# KiCad board PANEL_COM_MOD.kicad_pcb (continued)
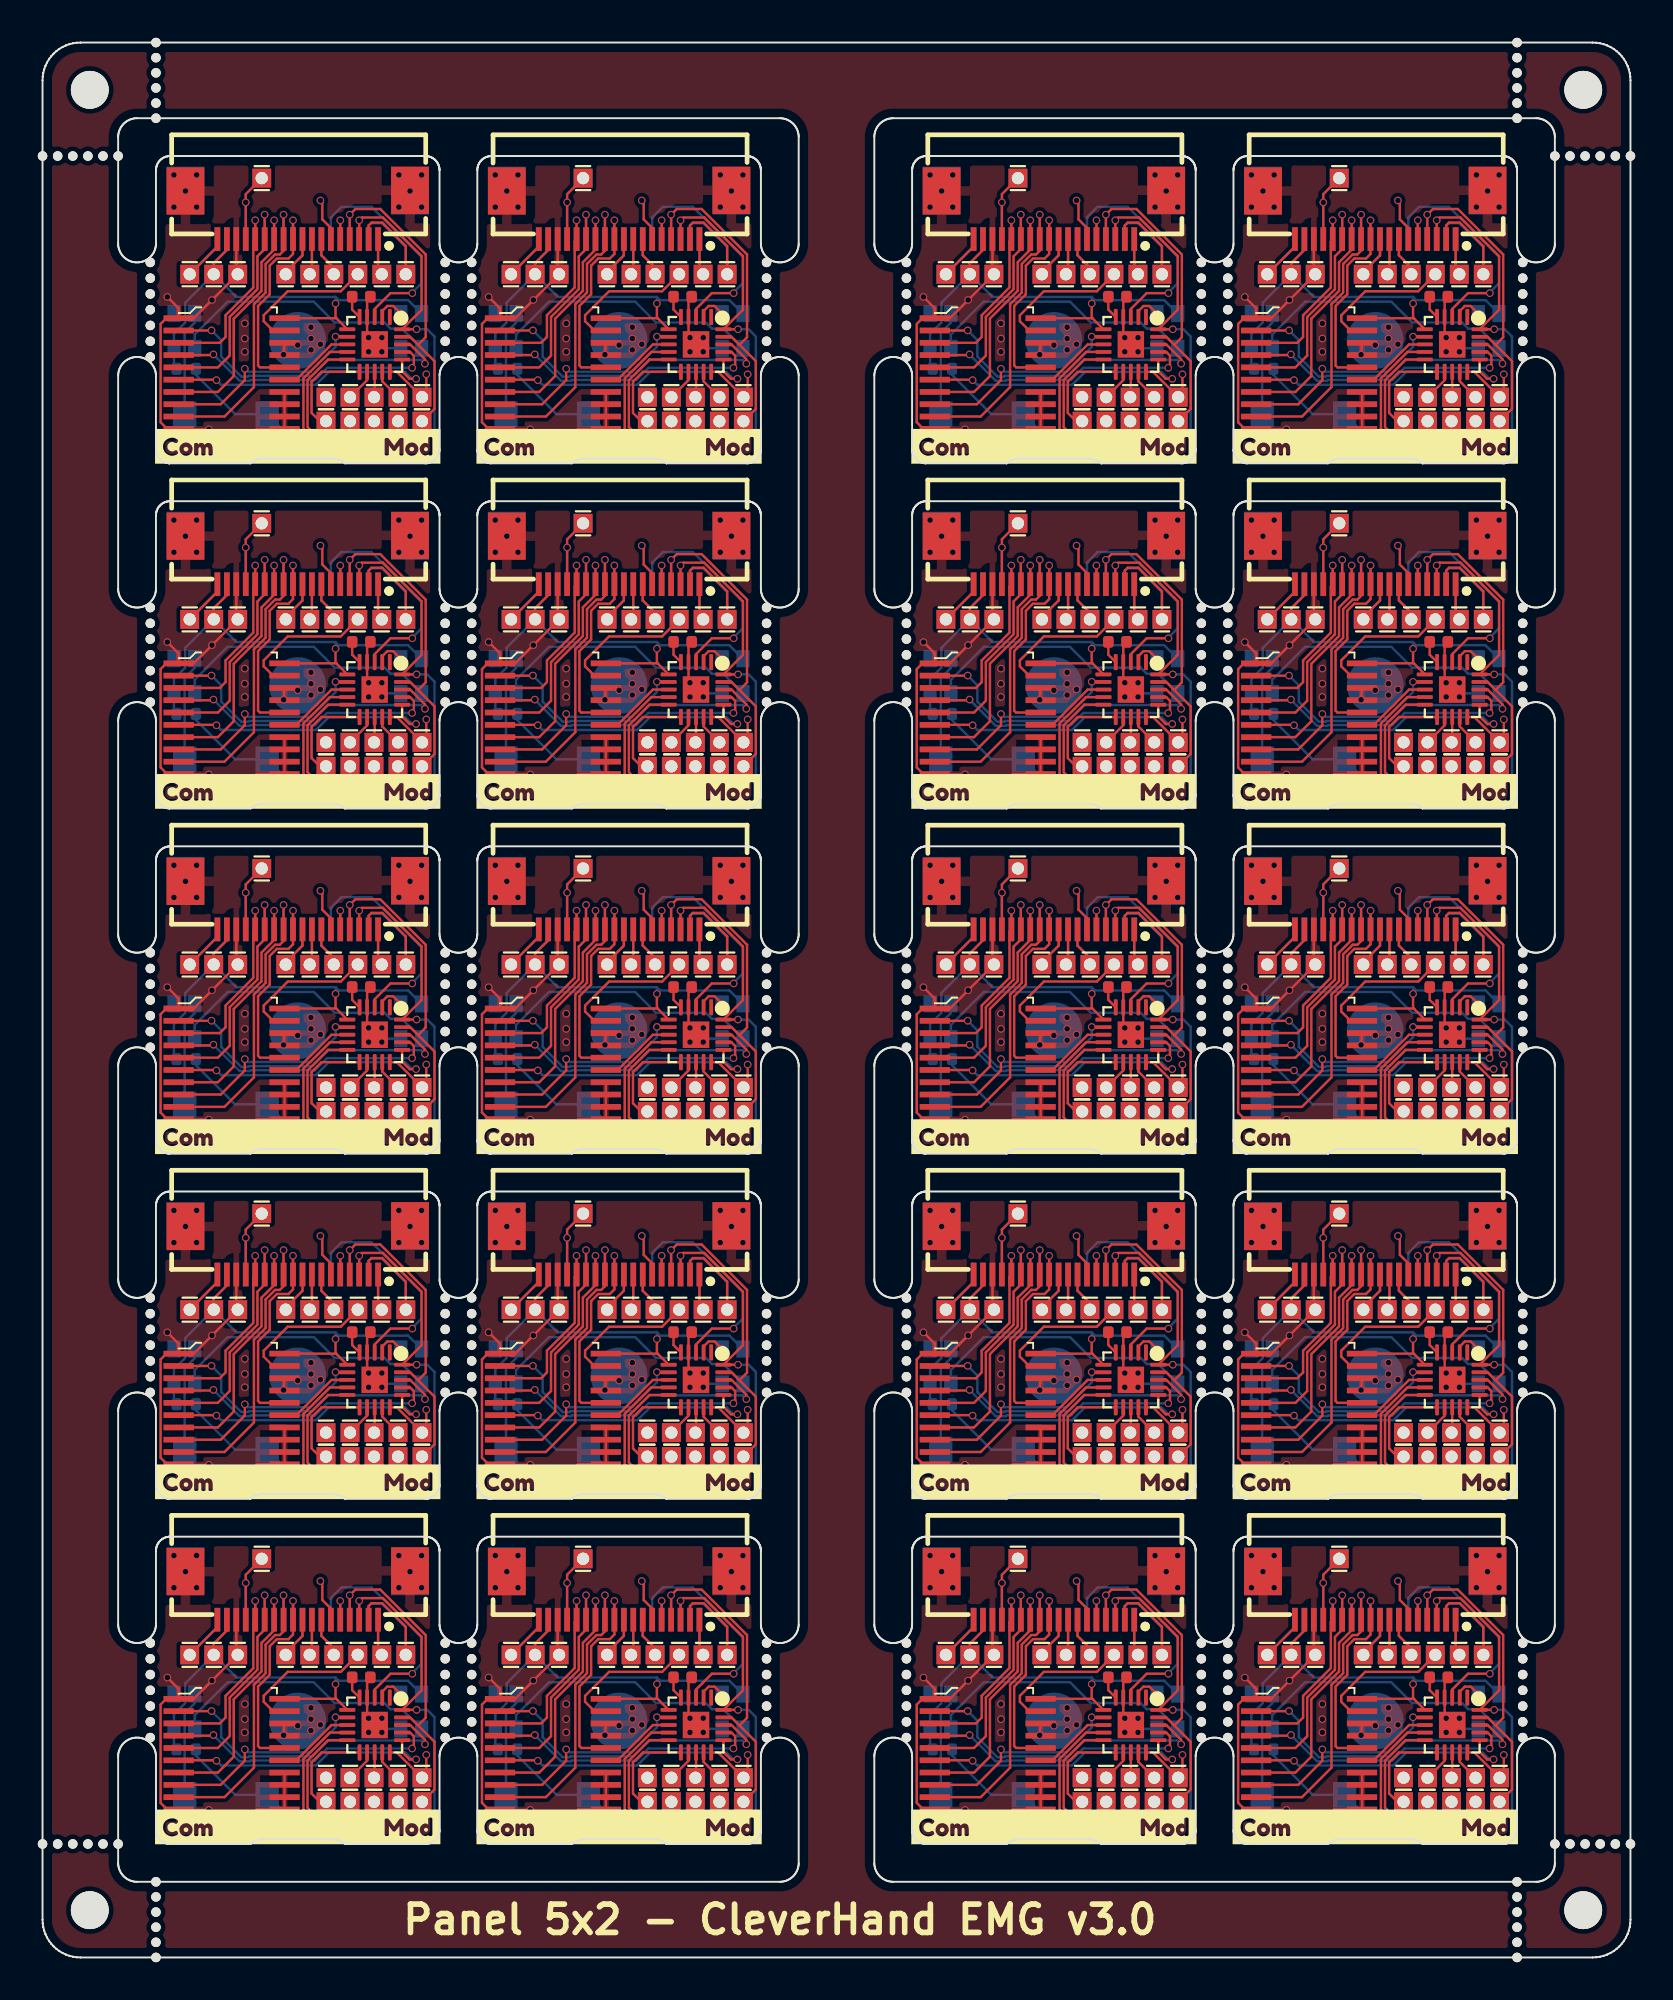
[diagram p0: board, top side]
## Routing (per net, layer and track width the routed paths; a pad name or vN(x,y) marks a point on that pad's centre or on a via; arc(x,y) is an arc through that point) (continued)
Board_0-/addr_mod_4: length 4.1
  Top w0.127: U2#12.15 13.42,83.43 15.29,85.29 16.12,85.29 U1#16.8
Board_0-/AIN0: length 5.3
  Top w0.127: 15,81.23 14.67,81.23 14.23,81.67 14.23,83.31 14.76,83.84 U1#16.11
Board_0-/AUX1: length 4.9
  Top w0.127: 9.25,90.83 9.25,90.47 J19#11.1
  Bottom w0.127: J19#11.1 9.25,90.47 9.25,90.83
Board_0-/AUX2: length 9.5
  Top w0.127: 17.25,90.83 17.25,91.58 17.4,91.73 17.97,91.73 19.21,90.49 J20#19.1
  Bottom w0.127: J20#19.1 19.21,90.44 17.96,91.7 17.37,91.7 17.25,91.58 17.25,90.83
Board_0-/AUX3: length 5.6
  Top w0.127: J3#4.1 10.75,93.24 v1(10.75,92.8) 10.75,90.83
  Bottom w0.127: v1(10.75,92.8) 10.75,90.83
Board_0-/CSB: length 7.5
  Top w0.127: U2#12.19 12.19,86.03 11.7,86.52 11.7,86.83 12.97,88.1 15.77,88.1 J8#18.1
Board_0-/extRef: length 3.8
  Top w0.127: 17.75,90.83 17.75,89.2 J9#2.1
  Bottom w0.127: J9#2.1 17.75,89.2 17.75,90.83
Board_0-/GPIO: length 17.7
  Top w0.127: 16.27,81.23 15.62,80.58 14.36,80.58 14.02,80.92 14.02,83.4 15.1,84.49 U1#16.10
  Bottom w0.127: R1#13.2 8.11,83.68 10.19,81.6 11.88,81.6 12.91,80.58 15.62,80.58 16.27,81.23
Board_0-/i2C_SCL: length 19.7
  Top w0.127: v1(19.79,86.09) U1#16.20 20.05,87.12 20.05,89.96 18.01,92 16.9,92 v1(16.75,91.85) 16.75,90.83
  Bottom w0.127: 18.81,81.23 19.46,80.58 20.73,80.58 20.73,85.71 20.35,86.09 v1(19.79,86.09) ; v1(16.75,91.85) 16.75,90.83
Board_0-/I2C_SDA: length 18.4
  Top w0.127: 19.87,85.27 20.73,84.4 20.73,81.88 20.08,81.23 ; 19.87,85.27 19.44,85.69 U1#16.19 ; 19.87,85.27 20.27,85.67 20.27,90.05 17.86,92.45 16.55,92.45 v1(16.25,92.15) 16.25,90.83
  Bottom w0.127: v1(16.25,92.15) 16.25,90.83
Board_0-/IO1_in: length 12.2
  Top w0.127: v1(19.56,88) 18.4,88 17.57,87.17 U1#16.3
  Bottom w0.127: v1(19.56,88) 19.56,88.04 20.05,88.53 20.05,89.91 17.4,92.56 15.81,92.56 15.25,92 15.25,90.83
Board_0-/IO1_out: length 19.7
  Top w0.127: U1#16.15 18.74,83.84 20.08,82.5 20.3,82.72 v1(20.3,83.71) ; 15.25,90.83 15.25,91.45 14.8,91.9 14.8,92.8 v1(14.7,92.9)
  In2.Cu w0.127: v1(20.3,83.71) 20.64,84.05 20.64,90.11 17.65,93.1 14.9,93.1 v1(14.7,92.9)
Board_0-/IO2: length 2.1
  Top w0.127: v1(15.75,91.85) 15.75,90.83
  Bottom w0.127: 15.75,90.83 v1(15.75,91.85)
Board_0-/LED_IN: length 1.6
  Top w0.127: U1#16.2 17.97,87.05 18.23,87.32 18.55,87.32 v1(18.95,86.92)
Board_0-/PICO: length 3.7
  Top w0.127: J6#16.1 14.25,89.12 14.25,90.83
  Bottom w0.127: J6#16.1 14.25,89.12 14.25,90.83
Board_0-/PICO_ARM: length 1.4
  Top w0.127: U1#16.13 17.57,82.53 17.54,82.5
Board_0-/POCI: length 4.4
  Top w0.127: 13.75,90.83 13.75,90 12.86,89.12 J5#16.1
  Bottom w0.127: J5#16.1 12.86,89.12 13.75,90 13.75,90.83
Board_0-/SCLK: length 4.2
  Top w0.127: J7#19.1 15.41,89.35 14.75,90 14.75,90.83
  Bottom w0.127: 14.75,90.83 14.75,90 15.41,89.35 J7#19.1
Board_0-/SCLK_ARM: length 1.7
  Top w0.127: U1#16.12 17.17,83.4 16.27,82.5
Board_0-/SPICS_ARM: length 9.9
  Top w0.127: 17.54,81.23 16.67,80.36 14.27,80.36 13.8,80.83 13.8,83.49 15.2,84.89 U1#16.9
Board_0-/SWDIO/POCI_ARM: length 1.7
  Top w0.127: 18.81,82.5 17.97,83.34 U1#16.14
Board_0-/Vcap: length 1.2
  Top w0.127: C1#17.2 16.38,87.13 U1#16.5
Board_0-GND: length 34.7
  Top w0.127: U2#12.11 11.32,80.83 v1(11.1,80.6) ; U2#12.11 13.45,80.83 ; U2#12.11 U2#12.14 12.34,82.78 ; U2#12.17 v1(12.75,84.75) U2#12.18 ; v1(8.8,80.8) 7.23,80.8 U2#12.10 6.59,80.83 6.25,81.17 6.25,86.37 6.55,86.68 U2#12.1 ; 10.25,90.83 10.25,89.08 J2#10.1 v1(8.96,87.64) 8,86.68 U2#12.1 ; v1(6.6,87.8) 7.2,87.2 U2#12.1 ; U1#16.21 17.25,85.61 v1(17.25,85.65) 17.21,85.65 17.17,85.69 U1#16.4 17.17,87.64 C1#17.1
  Bottom w0.127: v1(8.96,87.64) 8.24,86.92 8.05,86.92 8.05,86.44 7.51,85.9 7.51,81.6 ; 17.66,85.09 17.76,85.09 v1(17.95,84.9) 18.13,85.09 18.95,85.09 ; J2#10.1 10.25,89.08 10.25,90.83
  vias: v1(6.95,94.25) v1(6.95,92.55) v1(7.56,93.4) v1(8.15,94.25) v1(8.15,92.55) v1(10.7,86.4) v1(10.7,85.6) v1(10.7,84.9) v1(13.5,85.25) v1(14.2,86.2) v1(14.2,85.6) v1(14.2,85) v1(14.7,85.3) v1(17.25,84.9) v1(17.95,85.65) v1(18.85,94.25) v1(18.85,92.55) v1(19.44,93.4) v1(20.05,94.25) v1(20.05,92.55)
Board_0-Net-(LED1-DO): length 14.5
  Bottom w0.127: 20.05,85.09 19.01,86.13 18.41,86.13 18.09,86.45 15.45,86.45 14.35,87.55 9.79,87.55 8.05,85.81 8.05,85.09
Board_1-+3.3V: length 26.7
  Top w0.127: 32.55,86.66 32.53,86.68 U2#13.20 ; 32.55,86.66 32.5,86.71 v1(32.5,87.45) ; 32.55,86.66 U1#3.6 ; J1#12.1 26.05,89.59 26.75,90.29 26.75,90.83
  Bottom w0.127: R1#3.1 23.95,84.14 23.95,85.85 24.55,86.45 24.55,87.49 J1#12.1 ; 32.5,87.8 32.67,87.63 36.34,87.63 37.05,86.92 ; 32.5,87.8 27.26,87.8 J1#12.1 ; 32.5,87.8 v1(32.5,87.45) ; J1#12.1 26.05,89.59 26.75,90.29 26.75,90.83
Board_1-/addr_bus_0: length 10.5
  Top w0.127: U2#13.3 26.37,85.38 26.68,85.68 26.68,86.83 28.15,88.3 28.15,90.73 28.25,90.83 v1(28.25,91.85)
  Bottom w0.127: 28.25,90.83 v1(28.25,91.85)
Board_1-/addr_bus_1: length 12.5
  Top w0.127: U2#13.5 26.27,84.08 26.9,84.7 26.9,86.74 28.37,88.21 28.37,89.95 28.75,90.33 v1(28.75,92.15)
  Bottom w0.127: 28.75,90.83 v1(28.75,92.15)
Board_1-/addr_bus_2: length 13.4
  Top w0.127: U2#13.7 26.27,82.78 27.12,83.62 27.12,86.65 28.58,88.12 28.58,89.63 29.25,90.3 v1(29.25,91.85)
  Bottom w0.127: 29.25,90.83 v1(29.25,91.85)
Board_1-/addr_bus_3: length 15.9
  Top w0.127: v1(29.75,92.15) 29.75,90.24 29.55,90.05 29.3,90.05 28.8,89.54 28.8,88.03 28.18,87.41 28.18,83.03 26.62,81.48 U2#13.9
  Bottom w0.127: 29.75,90.83 v1(29.75,92.15)
Board_1-/addr_bus_4: length 11.3
  Top w0.127: U2#13.16 28.5,84.08 28.4,84.18 28.4,87.32 29.02,87.94 29.02,89.45 29.39,89.83 30.01,89.83 30.25,90.07 v1(30.25,91.85)
  Bottom w0.127: 30.25,90.83 v1(30.25,91.85)
Board_1-/addr_mod_0: length 16.8
  Top w0.127: v1(37.23,84.27) 37.23,84.51 36.44,85.29 U1#3.18 ; U2#13.2 25.93,86.03 v1(25.94,86.03)
  Bottom w0.127: v1(25.94,86.03) 26.45,85.52 26.45,84.65 27.51,83.59 27.87,83.59 27.91,83.63 31.27,83.63 32.12,84.47 37.03,84.47 v1(37.23,84.27)
Board_1-/addr_mod_1: length 14.6
  Top w0.127: v1(36.55,84.05) 36.55,84.11 36.64,84.2 36.64,84.7 36.44,84.89 U1#3.17 ; U2#13.4 26,84.73 v1(26.04,84.76)
  Bottom w0.127: v1(26.04,84.76) 26.04,84.75 27.42,83.37 27.96,83.37 28,83.41 31.41,83.41 32.05,84.05 v1(36.55,84.05)
Board_1-/addr_mod_2: length 14.6
  Top w0.127: U2#13.6 26.17,83.43 v1(26.2,83.4) ; v1(36.76,83.47) 36.42,83.47 36.02,83.87 U1#3.16
  Bottom w0.127: v1(36.76,83.47) 36.55,83.47 36.18,83.83 32.14,83.83 31.46,83.15 26.45,83.15 v1(26.2,83.4)
Board_1-/addr_mod_3: length 11.2
  Top w0.127: U2#13.8 26.42,82.13 27.7,83.4 v1(27.7,84) ; v1(32.5,85.7) 32.68,85.7 32.69,85.69 U1#3.7
  Bottom w0.127: v1(27.7,84) 27.85,83.85 31.18,83.85 32.5,85.16 v1(32.5,85.7)
Board_1-/addr_mod_4: length 4.1
  Top w0.127: U2#13.15 30.42,83.43 32.29,85.29 33.12,85.29 U1#3.8
Board_1-/AIN0: length 5.3
  Top w0.127: 32,81.23 31.67,81.23 31.23,81.67 31.23,83.31 31.76,83.84 U1#3.11
Board_1-/AUX1: length 4.9
  Top w0.127: J19#13.1 26.25,90.47 26.25,90.83
  Bottom w0.127: J19#13.1 26.25,90.47 26.25,90.83
Board_1-/AUX2: length 9.5
  Top w0.127: 34.25,90.83 34.25,91.58 34.4,91.73 34.97,91.73 36.22,90.49 J20#4.1
  Bottom w0.127: 34.25,90.83 34.25,91.58 34.37,91.7 34.96,91.7 36.22,90.44 J20#4.1
Board_1-/AUX3: length 5.6
  Top w0.127: J3#2.1 27.75,93.24 v1(27.75,92.8) 27.75,90.83
  Bottom w0.127: v1(27.75,92.8) 27.75,90.83
Board_1-/CSB: length 7.5
  Top w0.127: J8#2.1 32.77,88.1 29.97,88.1 28.7,86.83 28.7,86.52 29.19,86.03 U2#13.19
Board_1-/extRef: length 3.8
  Top w0.127: J9#4.1 34.75,89.2 34.75,90.83
  Bottom w0.127: 34.75,90.83 34.75,89.2 J9#4.1
Board_1-/GPIO: length 17.7
  Top w0.127: 33.27,81.23 32.62,80.58 31.36,80.58 31.02,80.92 31.02,83.4 32.1,84.49 U1#3.10
  Bottom w0.127: 33.27,81.23 32.62,80.58 29.91,80.58 28.88,81.6 27.19,81.6 25.11,83.68 R1#3.2
Board_1-/i2C_SCL: length 19.7
  Top w0.127: v1(36.79,86.09) U1#3.20 37.05,87.12 37.05,89.96 35.01,92 33.9,92 v1(33.75,91.85) 33.75,90.83
  Bottom w0.127: 35.81,81.23 36.46,80.58 37.73,80.58 37.73,85.71 37.35,86.09 v1(36.79,86.09) ; v1(33.75,91.85) 33.75,90.83
Board_1-/I2C_SDA: length 18.4
  Top w0.127: 37.08,81.23 37.73,81.88 37.73,84.4 36.87,85.27 ; U1#3.19 36.44,85.69 36.87,85.27 ; 33.25,90.83 v1(33.25,92.15) 33.55,92.45 34.86,92.45 37.27,90.05 37.27,85.67 36.87,85.27
  Bottom w0.127: v1(33.25,92.15) 33.25,90.83
Board_1-/IO1_in: length 12.2
  Top w0.127: U1#3.3 34.57,87.17 35.4,88 v1(36.56,88)
  Bottom w0.127: 32.25,90.83 32.25,92 32.81,92.56 34.4,92.56 37.05,89.91 37.05,88.53 36.56,88.04 v1(36.56,88)
Board_1-/IO1_out: length 19.7
  Top w0.127: v1(37.3,83.71) 37.3,82.72 37.08,82.5 35.74,83.84 U1#3.15 ; 32.25,90.83 32.25,91.45 31.8,91.9 31.8,92.8 v1(31.7,92.9)
  In2.Cu w0.127: v1(37.3,83.71) 37.64,84.05 37.64,90.11 34.65,93.1 31.9,93.1 v1(31.7,92.9)
Board_1-/IO2: length 2.1
  Top w0.127: v1(32.75,91.85) 32.75,90.83
  Bottom w0.127: 32.75,90.83 v1(32.75,91.85)
Board_1-/LED_IN: length 1.6
  Top w0.127: U1#3.2 34.97,87.05 35.23,87.32 35.55,87.32 v1(35.95,86.92)
Board_1-/PICO: length 3.7
  Top w0.127: 31.25,90.83 31.25,89.12 J6#3.1
  Bottom w0.127: 31.25,90.83 31.25,89.12 J6#3.1
Board_1-/PICO_ARM: length 1.4
  Top w0.127: 34.54,82.5 34.57,82.53 U1#3.13
Board_1-/POCI: length 4.4
  Top w0.127: J5#18.1 29.87,89.12 30.75,90 30.75,90.83
  Bottom w0.127: J5#18.1 29.87,89.12 30.75,90 30.75,90.83
Board_1-/SCLK: length 4.2
  Top w0.127: J7#15.1 32.41,89.35 31.75,90 31.75,90.83
  Bottom w0.127: J7#15.1 32.41,89.35 31.75,90 31.75,90.83
Board_1-/SCLK_ARM: length 1.7
  Top w0.127: U1#3.12 34.17,83.4 33.27,82.5
Board_1-/SPICS_ARM: length 9.9
  Top w0.127: 34.54,81.23 33.67,80.36 31.27,80.36 30.8,80.83 30.8,83.49 32.2,84.89 U1#3.9
Board_1-/SWDIO/POCI_ARM: length 1.7
  Top w0.127: 35.81,82.5 34.97,83.34 U1#3.14
Board_1-/Vcap: length 1.2
  Top w0.127: C1#20.2 33.38,87.13 U1#3.5
Board_1-GND: length 34.7
  Top w0.127: U2#13.1 25,86.68 v1(25.96,87.64) J2#9.1 27.25,89.08 27.25,90.83 ; U2#13.1 23.55,86.68 23.25,86.37 23.25,81.17 23.59,80.83 U2#13.10 24.23,80.8 v1(25.8,80.8) ; U2#13.1 24.2,87.2 v1(23.6,87.8) ; U2#13.11 30.45,80.83 ; U2#13.11 28.32,80.83 v1(28.1,80.6) ; U2#13.11 U2#13.14 29.34,82.78 ; U2#13.18 v1(29.75,84.75) U2#13.17 ; U1#3.21 34.25,85.61 v1(34.25,85.65) 34.21,85.65 34.17,85.69 U1#3.4 34.17,87.64 C1#20.1
  Bottom w0.127: 24.51,81.6 24.51,85.9 25.05,86.44 25.05,86.92 25.24,86.92 v1(25.96,87.64) ; J2#9.1 27.25,89.08 27.25,90.83 ; 34.66,85.09 34.76,85.09 v1(34.95,84.9) 35.13,85.09 35.95,85.09
  vias: v1(23.95,94.25) v1(23.95,92.55) v1(24.56,93.4) v1(25.15,94.25) v1(25.15,92.55) v1(27.7,86.4) v1(27.7,85.6) v1(27.7,84.9) v1(30.5,85.25) v1(31.2,86.2) v1(31.2,85.6) v1(31.2,85) v1(31.7,85.3) v1(34.25,84.9) v1(34.95,85.65) v1(35.85,94.25) v1(35.85,92.55) v1(36.44,93.4) v1(37.05,94.25) v1(37.05,92.55)
Board_1-Net-(LED1-DO): length 14.5
  Bottom w0.127: 37.05,85.09 36.01,86.13 35.41,86.13 35.09,86.45 32.45,86.45 31.35,87.55 26.79,87.55 25.05,85.81 25.05,85.09
Board_2-+3.3V: length 26.7
  Top w0.127: v1(55.5,87.45) 55.5,86.71 55.55,86.66 ; 55.55,86.66 55.53,86.68 U2#5.20 ; 55.55,86.66 U1#11.6 ; J1#14.1 49.05,89.59 49.75,90.29 49.75,90.83
  Bottom w0.127: 60.05,86.92 59.34,87.63 55.67,87.63 55.5,87.8 ; R1#15.1 46.95,84.14 46.95,85.85 47.55,86.45 47.55,87.49 J1#14.1 ; J1#14.1 50.26,87.8 55.5,87.8 ; J1#14.1 49.05,89.59 49.75,90.29 49.75,90.83 ; 55.5,87.8 v1(55.5,87.45)
Board_2-/addr_bus_0: length 10.5
  Top w0.127: U2#5.3 49.37,85.38 49.68,85.68 49.68,86.83 51.15,88.3 51.15,90.73 51.25,90.83 v1(51.25,91.85)
  Bottom w0.127: 51.25,90.83 v1(51.25,91.85)
Board_2-/addr_bus_1: length 12.5
  Top w0.127: v1(51.75,92.15) 51.75,90.33 51.37,89.95 51.37,88.21 49.9,86.74 49.9,84.7 49.27,84.08 U2#5.5
  Bottom w0.127: 51.75,90.83 v1(51.75,92.15)
Board_2-/addr_bus_2: length 13.4
  Top w0.127: v1(52.25,91.85) 52.25,90.3 51.58,89.63 51.58,88.12 50.12,86.65 50.12,83.62 49.27,82.78 U2#5.7
  Bottom w0.127: 52.25,90.83 v1(52.25,91.85)
Board_2-/addr_bus_3: length 15.9
  Top w0.127: v1(52.75,92.15) 52.75,90.24 52.55,90.05 52.3,90.05 51.8,89.54 51.8,88.03 51.18,87.41 51.18,83.03 49.62,81.48 U2#5.9
  Bottom w0.127: 52.75,90.83 v1(52.75,92.15)
Board_2-/addr_bus_4: length 11.3
  Top w0.127: U2#5.16 51.5,84.08 51.4,84.18 51.4,87.32 52.02,87.94 52.02,89.45 52.39,89.83 53.01,89.83 53.25,90.07 v1(53.25,91.85)
  Bottom w0.127: 53.25,90.83 v1(53.25,91.85)
Board_2-/addr_mod_0: length 16.8
  Top w0.127: U1#11.18 59.44,85.29 60.23,84.51 v1(60.23,84.27) ; U2#5.2 48.93,86.03 v1(48.94,86.03)
  Bottom w0.127: v1(48.94,86.03) 49.45,85.52 49.45,84.65 50.51,83.59 50.87,83.59 50.91,83.63 54.27,83.63 55.12,84.47 60.03,84.47 v1(60.23,84.27)
Board_2-/addr_mod_1: length 14.6
  Top w0.127: v1(59.55,84.05) 59.55,84.11 59.64,84.2 59.64,84.7 59.44,84.89 U1#11.17 ; v1(49.04,84.76) 49,84.73 U2#5.4
  Bottom w0.127: v1(59.55,84.05) 55.05,84.05 54.41,83.41 51,83.41 50.96,83.37 50.42,83.37 49.04,84.75 v1(49.04,84.76)
Board_2-/addr_mod_2: length 14.6
  Top w0.127: v1(49.2,83.4) 49.17,83.43 U2#5.6 ; v1(59.76,83.47) 59.42,83.47 59.02,83.87 U1#11.16
  Bottom w0.127: v1(49.2,83.4) 49.45,83.15 54.46,83.15 55.14,83.83 59.18,83.83 59.55,83.47 v1(59.76,83.47)
Board_2-/addr_mod_3: length 11.2
  Top w0.127: U1#11.7 55.69,85.69 55.68,85.7 v1(55.5,85.7) ; U2#5.8 49.42,82.13 50.7,83.4 v1(50.7,84)
  Bottom w0.127: v1(50.7,84) 50.85,83.85 54.18,83.85 55.5,85.16 v1(55.5,85.7)
Board_2-/addr_mod_4: length 4.1
  Top w0.127: U2#5.15 53.42,83.43 55.29,85.29 56.12,85.29 U1#11.8
Board_2-/AIN0: length 5.3
  Top w0.127: 55,81.23 54.67,81.23 54.23,81.67 54.23,83.31 54.76,83.84 U1#11.11
Board_2-/AUX1: length 4.9
  Top w0.127: 49.25,90.83 49.25,90.47 J19#16.1
  Bottom w0.127: J19#16.1 49.25,90.47 49.25,90.83
Board_2-/AUX2: length 9.5
  Top w0.127: J20#11.1 59.22,90.49 57.97,91.73 57.4,91.73 57.25,91.58 57.25,90.83
  Bottom w0.127: 57.25,90.83 57.25,91.58 57.37,91.7 57.96,91.7 59.22,90.44 J20#11.1
Board_2-/AUX3: length 5.6
  Top w0.127: 50.75,90.83 v1(50.75,92.8) 50.75,93.24 J3#10.1
  Bottom w0.127: v1(50.75,92.8) 50.75,90.83
Board_2-/CSB: length 7.5
  Top w0.127: U2#5.19 52.19,86.03 51.7,86.52 51.7,86.83 52.97,88.1 55.77,88.1 J8#9.1
Board_2-/extRef: length 3.8
  Top w0.127: J9#16.1 57.75,89.2 57.75,90.83
  Bottom w0.127: 57.75,90.83 57.75,89.2 J9#16.1
Board_2-/GPIO: length 17.7
  Top w0.127: U1#11.10 55.1,84.49 54.02,83.4 54.02,80.92 54.36,80.58 55.62,80.58 56.27,81.23
  Bottom w0.127: R1#15.2 48.11,83.68 50.19,81.6 51.88,81.6 52.91,80.58 55.62,80.58 56.27,81.23
Board_2-/i2C_SCL: length 19.7
  Top w0.127: 56.75,90.83 v1(56.75,91.85) 56.9,92 58.01,92 60.05,89.96 60.05,87.12 U1#11.20 v1(59.79,86.09)
  Bottom w0.127: v1(59.79,86.09) 60.35,86.09 60.73,85.71 60.73,80.58 59.46,80.58 58.81,81.23 ; v1(56.75,91.85) 56.75,90.83
Board_2-/I2C_SDA: length 18.4
  Top w0.127: 59.87,85.27 59.44,85.69 U1#11.19 ; 59.87,85.27 60.73,84.4 60.73,81.88 60.08,81.23 ; 59.87,85.27 60.27,85.67 60.27,90.05 57.86,92.45 56.55,92.45 v1(56.25,92.15) 56.25,90.83
  Bottom w0.127: v1(56.25,92.15) 56.25,90.83
Board_2-/IO1_in: length 12.2
  Top w0.127: v1(59.56,88) 58.4,88 57.57,87.17 U1#11.3
  Bottom w0.127: v1(59.56,88) 59.56,88.04 60.05,88.53 60.05,89.91 57.4,92.56 55.81,92.56 55.25,92 55.25,90.83
Board_2-/IO1_out: length 19.7
  Top w0.127: v1(54.7,92.9) 54.8,92.8 54.8,91.9 55.25,91.45 55.25,90.83 ; U1#11.15 58.74,83.84 60.08,82.5 60.3,82.72 v1(60.3,83.71)
  In2.Cu w0.127: v1(54.7,92.9) 54.9,93.1 57.65,93.1 60.64,90.11 60.64,84.05 v1(60.3,83.71)
Board_2-/IO2: length 2.1
  Top w0.127: v1(55.75,91.85) 55.75,90.83
  Bottom w0.127: 55.75,90.83 v1(55.75,91.85)
Board_2-/LED_IN: length 1.6
  Top w0.127: U1#11.2 57.97,87.05 58.23,87.32 58.55,87.32 v1(58.95,86.92)
Board_2-/PICO: length 3.7
  Top w0.127: J6#9.1 54.25,89.12 54.25,90.83
  Bottom w0.127: J6#9.1 54.25,89.12 54.25,90.83
Board_2-/PICO_ARM: length 1.4
  Top w0.127: U1#11.13 57.57,82.53 57.54,82.5
Board_2-/POCI: length 4.4
  Top w0.127: 53.75,90.83 53.75,90 52.87,89.12 J5#19.1
  Bottom w0.127: 53.75,90.83 53.75,90 52.87,89.12 J5#19.1
Board_2-/SCLK: length 4.2
  Top w0.127: 54.75,90.83 54.75,90 55.41,89.35 J7.1
  Bottom w0.127: 54.75,90.83 54.75,90 55.41,89.35 J7.1
Board_2-/SCLK_ARM: length 1.7
  Top w0.127: U1#11.12 57.17,83.4 56.27,82.5
Board_2-/SPICS_ARM: length 9.9
  Top w0.127: 57.54,81.23 56.67,80.36 54.27,80.36 53.8,80.83 53.8,83.49 55.2,84.89 U1#11.9
Board_2-/SWDIO/POCI_ARM: length 1.7
  Top w0.127: U1#11.14 57.97,83.34 58.81,82.5
Board_2-/Vcap: length 1.2
  Top w0.127: U1#11.5 56.38,87.13 C1#15.2
Board_2-GND: length 34.7
  Top w0.127: v1(48.8,80.8) 47.23,80.8 U2#5.10 46.59,80.83 46.25,81.17 46.25,86.37 46.55,86.68 U2#5.1 ; U1#11.21 57.25,85.61 v1(57.25,85.65) 57.21,85.65 57.17,85.69 U1#11.4 57.17,87.64 C1#15.1 ; v1(46.6,87.8) 47.2,87.2 U2#5.1 ; U2#5.11 U2#5.14 52.34,82.78 ; U2#5.11 51.32,80.83 v1(51.1,80.6) ; U2#5.11 53.45,80.83 ; U2#5.1 48,86.68 v1(48.96,87.64) J2#20.1 50.25,89.08 50.25,90.83 ; U2#5.18 v1(52.75,84.75) U2#5.17
  Bottom w0.127: 57.66,85.09 57.76,85.09 v1(57.95,84.9) 58.13,85.09 58.95,85.09 ; J2#20.1 50.25,89.08 50.25,90.83 ; 47.51,81.6 47.51,85.9 48.05,86.44 48.05,86.92 48.24,86.92 v1(48.96,87.64)
  vias: v1(46.95,94.25) v1(46.95,92.55) v1(47.56,93.4) v1(48.15,94.25) v1(48.15,92.55) v1(50.7,86.4) v1(50.7,85.6) v1(50.7,84.9) v1(53.5,85.25) v1(54.2,86.2) v1(54.2,85.6) v1(54.2,85) v1(54.7,85.3) v1(57.25,84.9) v1(57.95,85.65) v1(58.85,94.25) v1(58.85,92.55) v1(59.44,93.4) v1(60.05,94.25) v1(60.05,92.55)
Board_2-Net-(LED1-DO): length 14.5
  Bottom w0.127: 60.05,85.09 59.01,86.13 58.41,86.13 58.09,86.45 55.45,86.45 54.35,87.55 49.79,87.55 48.05,85.81 48.05,85.09
Board_3-+3.3V: length 26.7
  Top w0.127: U1#6.6 72.55,86.66 ; 72.55,86.66 72.5,86.71 v1(72.5,87.45) ; 72.55,86.66 72.53,86.68 U2#9.20 ; J1#17.1 66.06,89.59 66.75,90.29 66.75,90.83
  Bottom w0.127: J1#17.1 66.06,89.59 66.75,90.29 66.75,90.83 ; J1#17.1 67.25,87.8 72.5,87.8 ; J1#17.1 64.55,87.49 64.55,86.45 63.95,85.85 63.95,84.14 R1#10.1 ; 72.5,87.8 v1(72.5,87.45) ; 72.5,87.8 72.67,87.63 76.34,87.63 77.05,86.92
Board_3-/addr_bus_0: length 10.5
  Top w0.127: v1(68.25,91.85) 68.25,90.83 68.15,90.73 68.15,88.3 66.68,86.83 66.68,85.68 66.37,85.38 U2#9.3
  Bottom w0.127: 68.25,90.83 v1(68.25,91.85)
Board_3-/addr_bus_1: length 12.5
  Top w0.127: U2#9.5 66.27,84.08 66.9,84.7 66.9,86.74 68.37,88.21 68.37,89.95 68.75,90.33 v1(68.75,92.15)
  Bottom w0.127: 68.75,90.83 v1(68.75,92.15)
Board_3-/addr_bus_2: length 13.4
  Top w0.127: U2#9.7 66.27,82.78 67.12,83.62 67.12,86.65 68.58,88.12 68.58,89.63 69.25,90.3 v1(69.25,91.85)
  Bottom w0.127: 69.25,90.83 v1(69.25,91.85)
Board_3-/addr_bus_3: length 15.9
  Top w0.127: v1(69.75,92.15) 69.75,90.24 69.55,90.05 69.3,90.05 68.8,89.54 68.8,88.03 68.18,87.41 68.18,83.03 66.62,81.48 U2#9.9
  Bottom w0.127: 69.75,90.83 v1(69.75,92.15)
Board_3-/addr_bus_4: length 11.3
  Top w0.127: U2#9.16 68.5,84.08 68.4,84.18 68.4,87.32 69.02,87.94 69.02,89.45 69.39,89.83 70.01,89.83 70.25,90.07 v1(70.25,91.85)
  Bottom w0.127: 70.25,90.83 v1(70.25,91.85)
Board_3-/addr_mod_0: length 16.8
  Top w0.127: v1(65.94,86.03) 65.93,86.03 U2#9.2 ; v1(77.23,84.27) 77.23,84.51 76.44,85.29 U1#6.18
  Bottom w0.127: v1(77.23,84.27) 77.03,84.47 72.12,84.47 71.27,83.63 67.91,83.63 67.87,83.59 67.51,83.59 66.45,84.65 66.45,85.52 v1(65.94,86.03)
Board_3-/addr_mod_1: length 14.6
  Top w0.127: U2#9.4 66,84.73 v1(66.04,84.76) ; v1(76.55,84.05) 76.55,84.11 76.64,84.2 76.64,84.7 76.44,84.89 U1#6.17
  Bottom w0.127: v1(76.55,84.05) 72.05,84.05 71.41,83.41 68,83.41 67.96,83.37 67.42,83.37 66.04,84.75 v1(66.04,84.76)
Board_3-/addr_mod_2: length 14.6
  Top w0.127: U1#6.16 76.02,83.87 76.42,83.47 v1(76.76,83.47) ; U2#9.6 66.17,83.43 v1(66.2,83.4)
  Bottom w0.127: v1(66.2,83.4) 66.45,83.15 71.46,83.15 72.14,83.83 76.18,83.83 76.55,83.47 v1(76.76,83.47)
Board_3-/addr_mod_3: length 11.2
  Top w0.127: U1#6.7 72.69,85.69 72.68,85.7 v1(72.5,85.7) ; U2#9.8 66.42,82.13 67.7,83.4 v1(67.7,84)
  Bottom w0.127: v1(67.7,84) 67.85,83.85 71.18,83.85 72.5,85.16 v1(72.5,85.7)
Board_3-/addr_mod_4: length 4.1
  Top w0.127: U1#6.8 73.12,85.29 72.29,85.29 70.42,83.43 U2#9.15
Board_3-/AIN0: length 5.3
  Top w0.127: U1#6.11 71.76,83.84 71.23,83.31 71.23,81.67 71.67,81.23 72,81.23
Board_3-/AUX1: length 4.9
  Top w0.127: J19#8.1 66.25,90.47 66.25,90.83
  Bottom w0.127: J19#8.1 66.25,90.47 66.25,90.83
Board_3-/AUX2: length 9.5
  Top w0.127: 74.25,90.83 74.25,91.58 74.4,91.73 74.97,91.73 76.22,90.49 J20#14.1
  Bottom w0.127: J20#14.1 76.22,90.44 74.96,91.7 74.37,91.7 74.25,91.58 74.25,90.83
Board_3-/AUX3: length 5.6
  Top w0.127: 67.75,90.83 v1(67.75,92.8) 67.75,93.24 J3#19.1
  Bottom w0.127: v1(67.75,92.8) 67.75,90.83
Board_3-/CSB: length 7.5
  Top w0.127: U2#9.19 69.19,86.03 68.7,86.52 68.7,86.83 69.97,88.1 72.78,88.1 J8#10.1
Board_3-/extRef: length 3.8
  Top w0.127: J9#9.1 74.75,89.2 74.75,90.83
  Bottom w0.127: 74.75,90.83 74.75,89.2 J9#9.1
Board_3-/GPIO: length 17.7
  Top w0.127: U1#6.10 72.1,84.49 71.02,83.4 71.02,80.92 71.36,80.58 72.62,80.58 73.27,81.23
  Bottom w0.127: 73.27,81.23 72.62,80.58 69.91,80.58 68.88,81.6 67.19,81.6 65.11,83.68 R1#10.2
Board_3-/i2C_SCL: length 19.7
  Top w0.127: 73.75,90.83 v1(73.75,91.85) 73.9,92 75.01,92 77.05,89.96 77.05,87.12 U1#6.20 v1(76.79,86.09)
  Bottom w0.127: 75.81,81.23 76.46,80.58 77.73,80.58 77.73,85.71 77.35,86.09 v1(76.79,86.09) ; v1(73.75,91.85) 73.75,90.83
Board_3-/I2C_SDA: length 18.4
  Top w0.127: 77.08,81.23 77.73,81.88 77.73,84.4 76.87,85.27 ; 76.87,85.27 77.27,85.67 77.27,90.05 74.86,92.45 73.55,92.45 v1(73.25,92.15) 73.25,90.83 ; 76.87,85.27 76.44,85.69 U1#6.19
  Bottom w0.127: v1(73.25,92.15) 73.25,90.83
Board_3-/IO1_in: length 12.2
  Top w0.127: v1(76.56,88) 75.4,88 74.57,87.17 U1#6.3
  Bottom w0.127: 72.25,90.83 72.25,92 72.81,92.56 74.4,92.56 77.05,89.91 77.05,88.53 76.56,88.04 v1(76.56,88)
Board_3-/IO1_out: length 19.7
  Top w0.127: 72.25,90.83 72.25,91.45 71.8,91.9 71.8,92.8 v1(71.7,92.9) ; U1#6.15 75.74,83.84 77.08,82.5 77.3,82.72 v1(77.3,83.71)
  In2.Cu w0.127: v1(77.3,83.71) 77.64,84.05 77.64,90.11 74.65,93.1 71.9,93.1 v1(71.7,92.9)
Board_3-/IO2: length 2.1
  Top w0.127: v1(72.75,91.85) 72.75,90.83
  Bottom w0.127: 72.75,90.83 v1(72.75,91.85)
Board_3-/LED_IN: length 1.6
  Top w0.127: v1(75.95,86.92) 75.55,87.32 75.23,87.32 74.97,87.05 U1#6.2
Board_3-/PICO: length 3.7
  Top w0.127: 71.25,90.83 71.25,89.12 J6.1
  Bottom w0.127: 71.25,90.83 71.25,89.12 J6.1
Board_3-/PICO_ARM: length 1.4
  Top w0.127: U1#6.13 74.57,82.53 74.54,82.5
Board_3-/POCI: length 4.4
  Top w0.127: J5#7.1 69.86,89.12 70.75,90 70.75,90.83
  Bottom w0.127: J5#7.1 69.86,89.12 70.75,90 70.75,90.83
Board_3-/SCLK: length 4.2
  Top w0.127: 71.75,90.83 71.75,90 72.41,89.35 J7#16.1
  Bottom w0.127: 71.75,90.83 71.75,90 72.41,89.35 J7#16.1
Board_3-/SCLK_ARM: length 1.7
  Top w0.127: 73.27,82.5 74.17,83.4 U1#6.12
Board_3-/SPICS_ARM: length 9.9
  Top w0.127: U1#6.9 72.2,84.89 70.8,83.49 70.8,80.83 71.27,80.36 73.67,80.36 74.54,81.23
Board_3-/SWDIO/POCI_ARM: length 1.7
  Top w0.127: 75.81,82.5 74.97,83.34 U1#6.14
Board_3-/Vcap: length 1.2
  Top w0.127: U1#6.5 73.38,87.13 C1#19.2
Board_3-GND: length 34.7
  Top w0.127: U2#9.11 U2#9.14 69.34,82.78 ; U2#9.11 68.32,80.83 v1(68.1,80.6) ; U2#9.11 70.45,80.83 ; U1#6.21 74.25,85.61 v1(74.25,85.65) 74.21,85.65 74.17,85.69 U1#6.4 74.17,87.64 C1#19.1 ; U2#9.1 64.2,87.2 v1(63.6,87.8) ; U2#9.1 63.55,86.68 63.25,86.37 63.25,81.17 63.59,80.83 U2#9.10 64.22,80.8 v1(65.8,80.8) ; U2#9.1 65,86.68 v1(65.96,87.64) J2#13.1 67.25,89.08 67.25,90.83 ; U2#9.17 v1(69.75,84.75) U2#9.18
  Bottom w0.127: 75.95,85.09 75.13,85.09 v1(74.95,84.9) 74.76,85.09 74.66,85.09 ; J2#13.1 67.25,89.08 67.25,90.83 ; 64.51,81.6 64.51,85.9 65.05,86.44 65.05,86.92 65.24,86.92 v1(65.96,87.64)
  vias: v1(63.95,94.25) v1(63.95,92.55) v1(64.56,93.4) v1(65.15,94.25) v1(65.15,92.55) v1(67.7,86.4) v1(67.7,85.6) v1(67.7,84.9) v1(70.5,85.25) v1(71.2,86.2) v1(71.2,85.6) v1(71.2,85) v1(71.7,85.3) v1(74.25,84.9) v1(74.95,85.65) v1(75.85,94.25) v1(75.85,92.55) v1(76.44,93.4) v1(77.05,94.25) v1(77.05,92.55)
Board_3-Net-(LED1-DO): length 14.5
  Bottom w0.127: 77.05,85.09 76.01,86.13 75.41,86.13 75.09,86.45 72.45,86.45 71.35,87.55 66.79,87.55 65.05,85.81 65.05,85.09
Board_4-+3.3V: length 26.7
  Top w0.127: 15.55,68.41 15.5,68.46 v1(15.5,69.2) ; 15.55,68.41 15.53,68.43 U2#6.20 ; 15.55,68.41 U1#7.6 ; J1#7.1 9.05,71.34 9.75,72.04 9.75,72.58
  Bottom w0.127: J1#7.1 7.55,69.24 7.55,68.2 6.95,67.6 6.95,65.89 R1#19.1 ; J1#7.1 10.25,69.55 15.5,69.55 ; J1#7.1 9.05,71.34 9.75,72.04 9.75,72.58 ; 15.5,69.55 15.67,69.38 19.34,69.38 20.05,68.67 ; 15.5,69.55 v1(15.5,69.2)
Board_4-/addr_bus_0: length 10.5
  Top w0.127: U2#6.3 9.37,67.13 9.68,67.43 9.68,68.58 11.15,70.05 11.15,72.48 11.25,72.58 v1(11.25,73.6)
  Bottom w0.127: 11.25,72.58 v1(11.25,73.6)
Board_4-/addr_bus_1: length 12.5
  Top w0.127: U2#6.5 9.27,65.83 9.9,66.45 9.9,68.49 11.37,69.96 11.37,71.7 11.75,72.08 v1(11.75,73.9)
  Bottom w0.127: 11.75,72.58 v1(11.75,73.9)
Board_4-/addr_bus_2: length 13.4
  Top w0.127: v1(12.25,73.6) 12.25,72.05 11.58,71.38 11.58,69.87 10.12,68.4 10.12,65.37 9.27,64.53 U2#6.7
  Bottom w0.127: 12.25,72.58 v1(12.25,73.6)
Board_4-/addr_bus_3: length 15.9
  Top w0.127: U2#6.9 9.62,63.23 11.18,64.78 11.18,69.16 11.8,69.78 11.8,71.29 12.3,71.8 12.55,71.8 12.75,71.99 v1(12.75,73.9)